# Altium PCB lidarcar.PcbDoc (part 1 of 2)
Units mil, origin at the board's own origin, x right, y up, seen from the top; angles counter-clockwise.
Board outline 3704.72 x 3732.29 mil, 2 copper layers (Top Layer, Bottom Layer); 84 components, 182 nets, 510 pads, 147 vias.
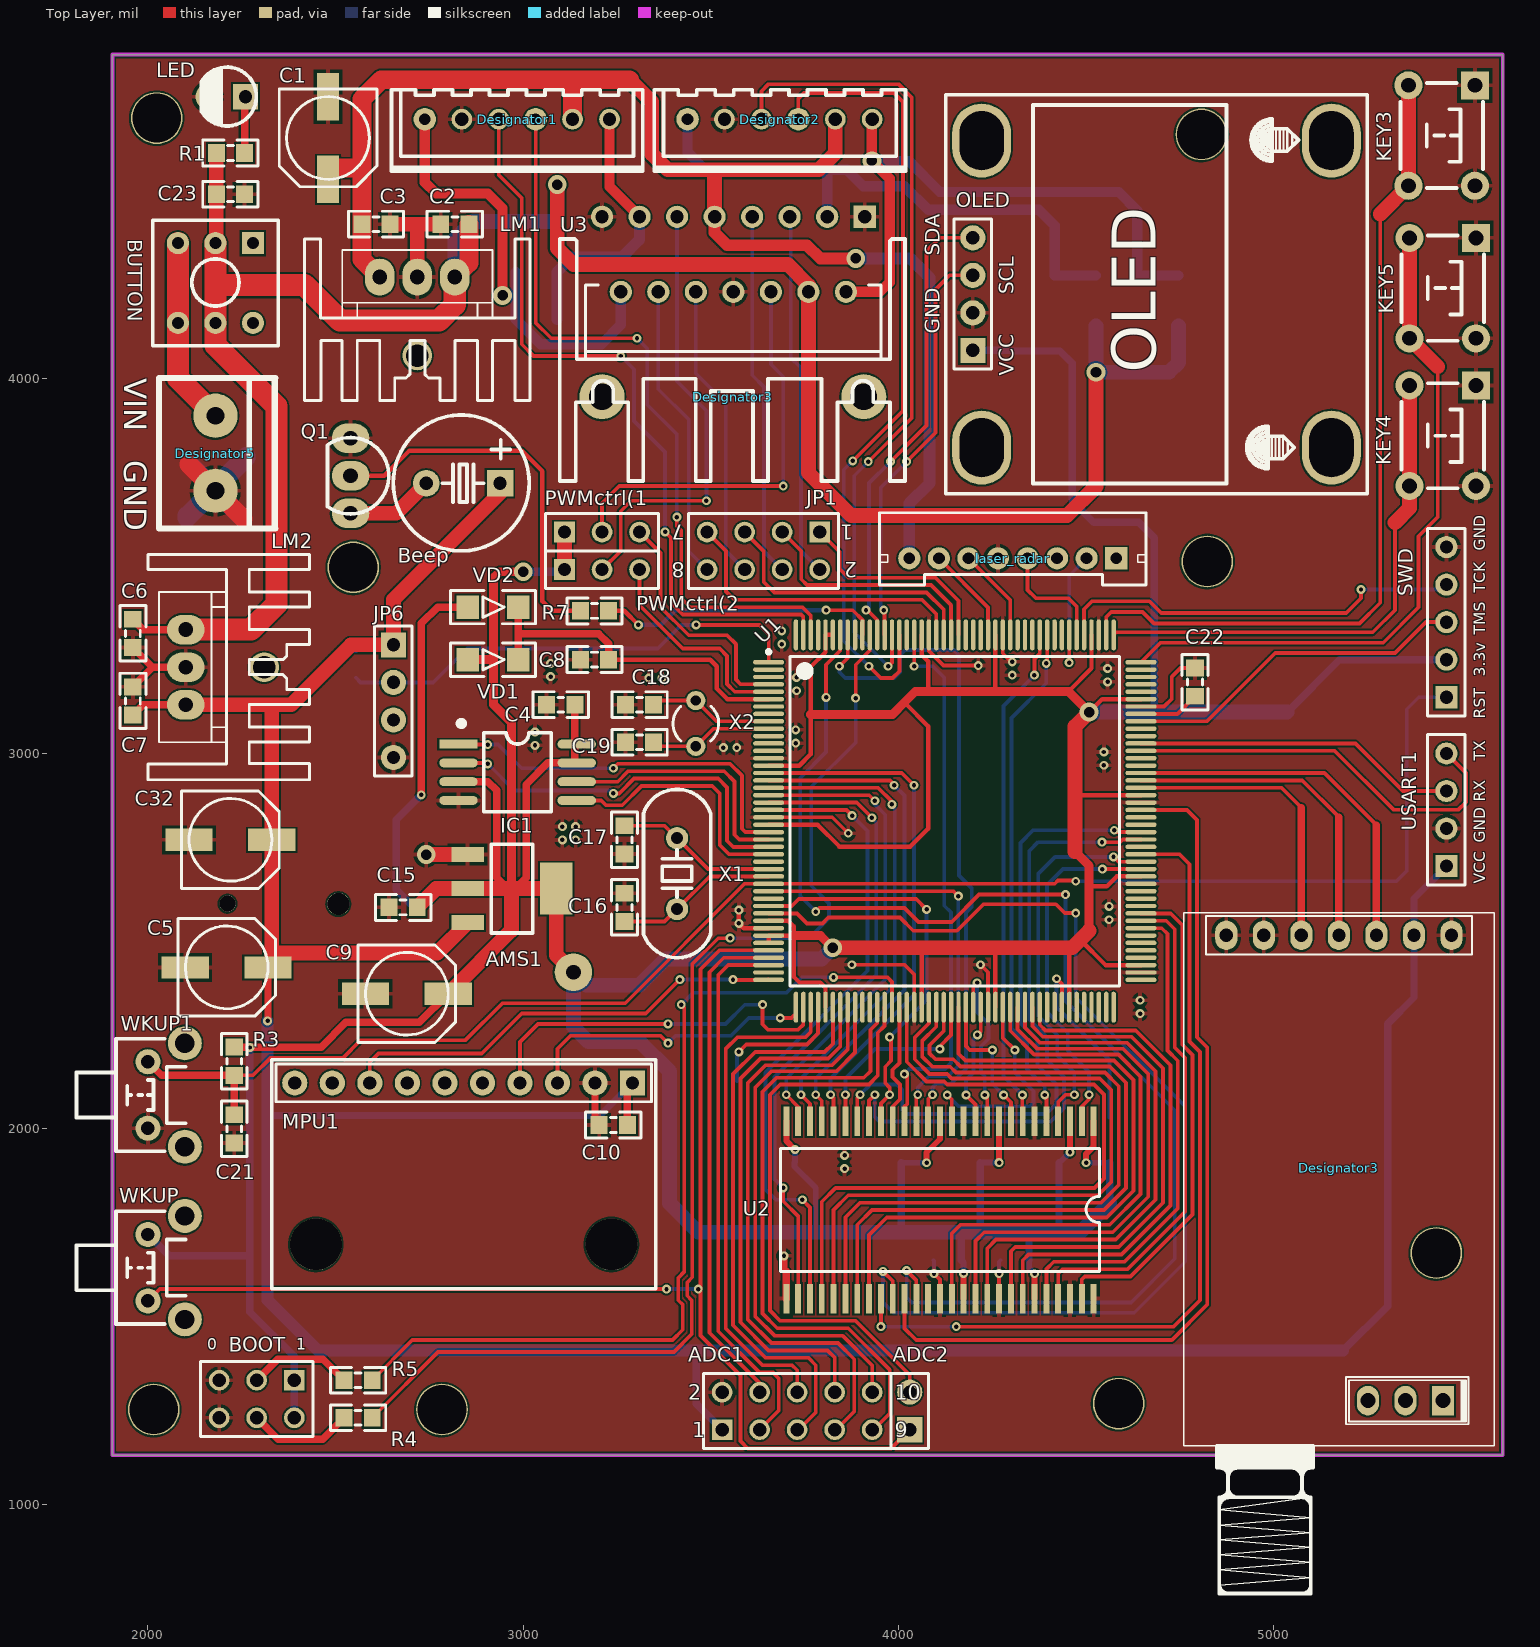
[diagram p0: Top Layer view]
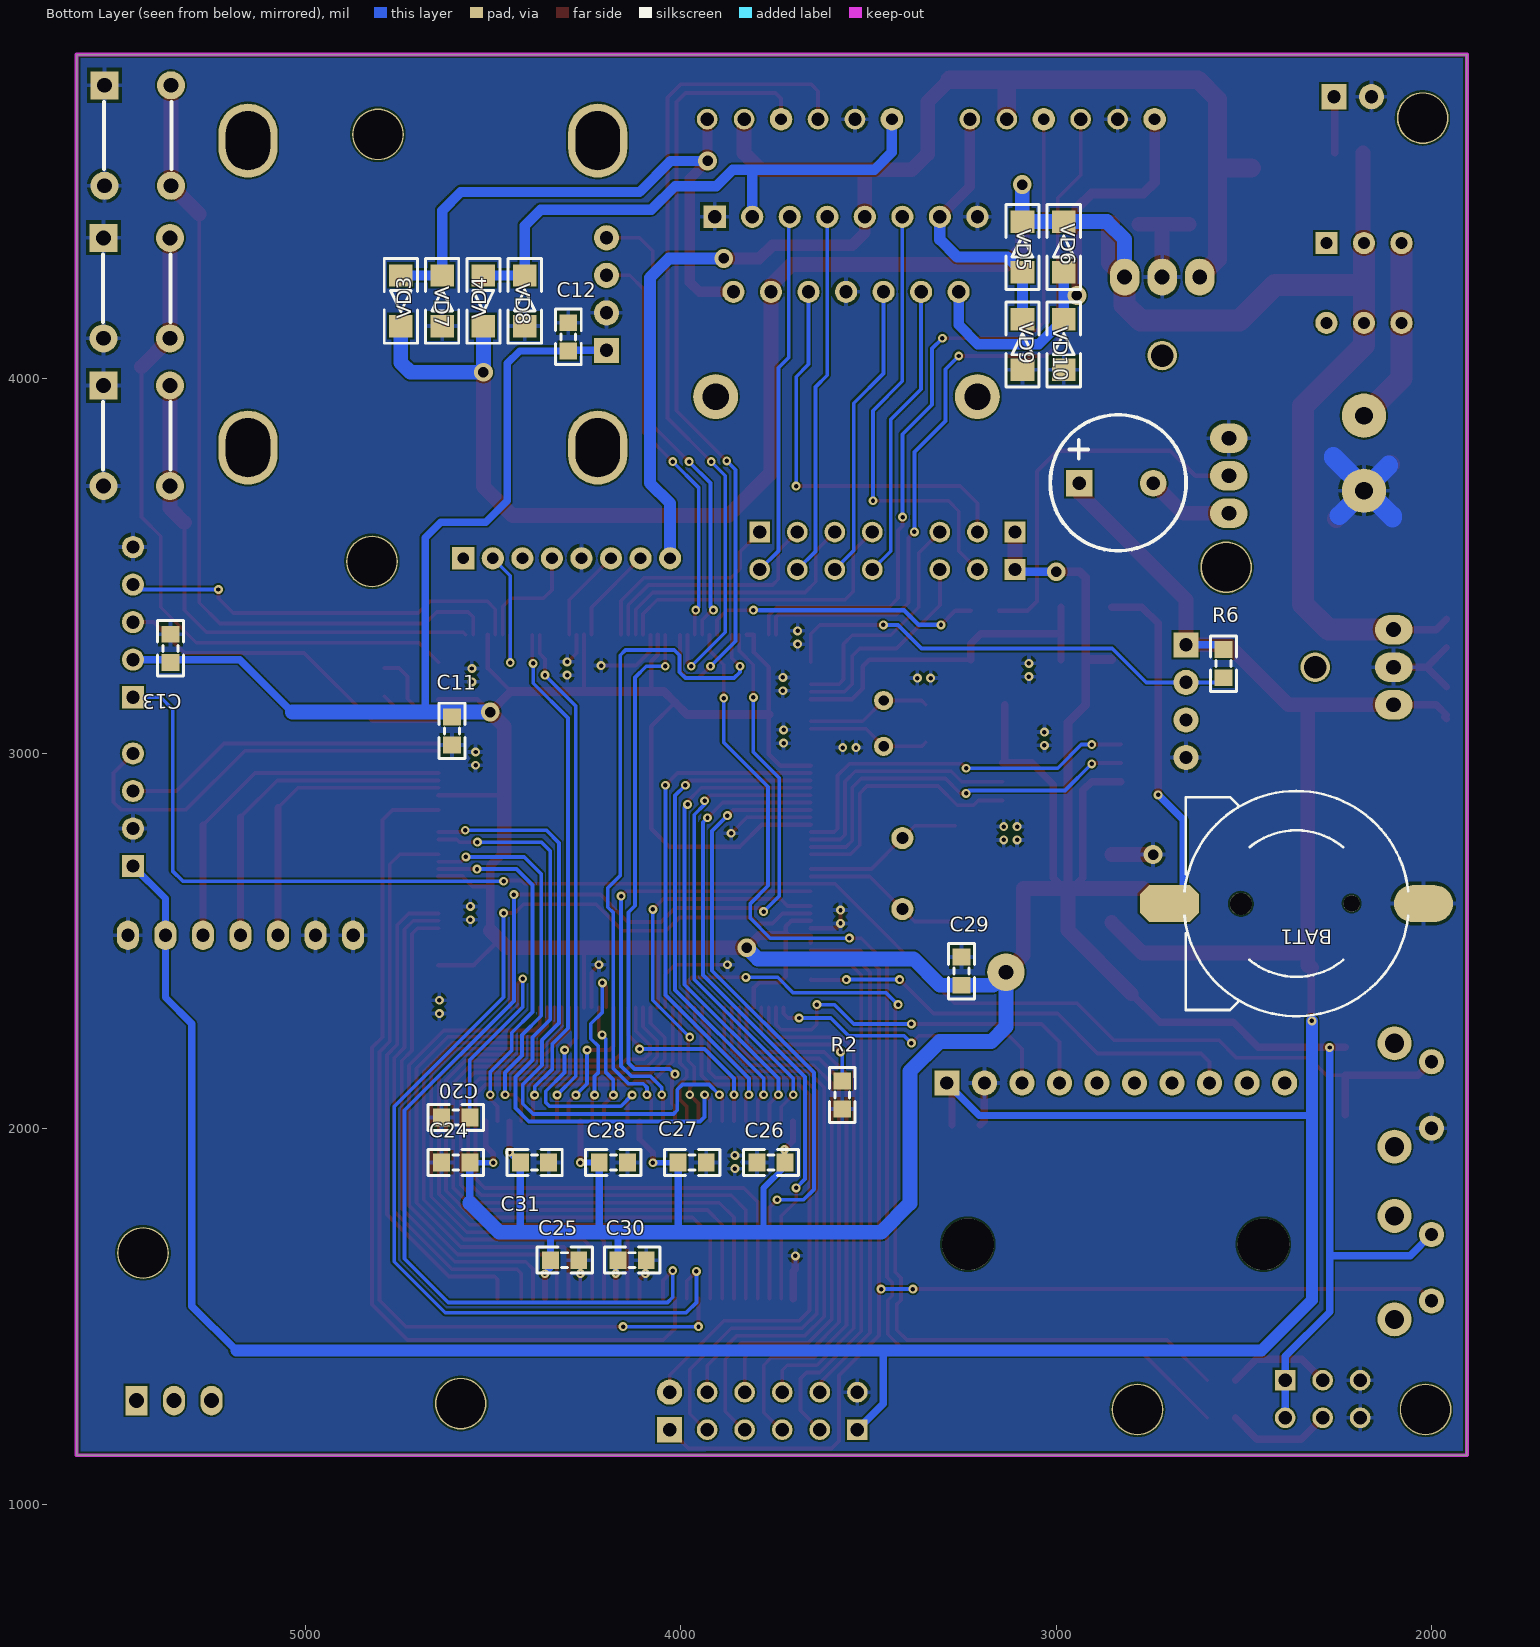
[diagram p1: Bottom Layer view, seen from below]

## Layer stack, top to bottom
Top Solder: solder mask 0.4, Solder Resist, Dk 3.5
Top Layer: signal copper 1.4
Dielectric1: dielectric 12.6, FR-4, Dk 4.8
Bottom Layer: signal copper 1.4
Bottom Solder: solder mask 0.4, Solder Resist, Dk 3.5

## Board outline
1905.51,1130.23 5610.24,1129.92 5610.24,4862.2 1905.51,4862.2

## Design rules (kind name [scope] priority, off if disabled: settings)
Clearance [All] p1: gap=5.91
MinimumSolderMaskSliver [All] p1: minsoldermaskwidth=5
PolygonConnect [All] p1: connectstyle=Relief reliefconductorwidth=10 reliefentries=4 polygonreliefangle="90 Angle" airgapwidth=10
RoutingVias [All] p1: holewidth=11.81 width=23.62 viastyle="Through Hole" minholewidth=11.81 minwidth=23.62 maxholewidth=28 maxwidth=50
SilkToSolderMaskClearance [IsPad] p1: minsilkscreentomaskgap=5 clearancetoexposedcopper=TRUE
SolderMaskExpansion [All] p1: expansion=4
Width [All] p1: maxlimit=78.74 minlimit=10 preferedwidth=10
28 further rules are at their usual default settings.

## Classes and differential pairs
component class Sheet1: AMS1 BAT1 BOOT BUTTON C1 C2 C3 C4 C5 C6 C7 C8 C9 C10 C11 C12 C13 C14 C15 C16 C17 C18 C19 C20 C21 C22 LED LM1 LM2 Power1 R1 R2 R3 R4 R5 RESET SWD U1 VD1 VD2 WKUP X1 X2
component class Sheet2: ADC1 ADC2 Beep C23 C24 C25 C26 C27 C28 C29 C30 C31 IC1 JP1 JP2 JP3 JP4 JP6 laser_radar MPU1 PWMctrl(1 PWMctrl(2 Q1 R6 R7 U3 USART1 USART6 VD3 VD4 VD5 VD6 VD7 VD8 VD9 VD10

## Components (designator, comment, footprint, x,y, rotation, side; value= is the part's Value field where it differs from the comment)
ADC1 "Header 5X2" HDR-5X2 3530,1198.19 r0 top
ADC2 "HDR-1X2" HDR-1X2 4030,1198.19 r90 top
AMS1 "AMS1117-3.3" SOT-223 2970,2640 r180 top
BAT1 "BATT" BATM 2360,2600 r270 bottom
Beep "DC5V" "BEEP 5x9x5.5" 2840,3720 r90 top (schematic designator Beep1)
BOOT "Header3X2" HDR-3X2 2390,1330 r180 top
BUTTON "BUTTON" BTN8.5*8.5 2280,4360 r270 top (schematic designator BUTTON1)
C1 "220uF" CC6.56.5 2480,4640 r90 top
C2 "104" 0805 2817.8,4410.32 r0 top
C3 "104" 0805 2607.8,4410.32 r180 top
C4 "104" 0805 3100,3130 r0 top
C5 "220uF" CC6.56.5 2210,2430 r180 top
C6 "104" 0805 1960,3320 r90 top
C7 "104" 0805 1960,3140 r270 top
C8 "104" 0805 3190,3250 r0 top
C9 "220uF" CC6.56.5 2690,2360 r180 top
C10 "104" 0805 3240,2010 r0 top
C11 "104" 0805 4610,3060 r90 bottom
C12 "104" 0805 4300,4110 r270 bottom
C13 "104" 0805 5360,3280 r270 bottom
C15 "104" 0805 2680,2590 r0 top
C16 "22pf" 0805 3270,2590 r270 top
C17 "22pf" 0805 3270,2770 r90 top
C18 "6pf" 0805 3310,3130 r180 top
C19 "6pf" 0805 3310,3030 r180 top
C20 "2.2uf" 0805 4600,2030 r0 bottom
C21 "104" 0805 2230,2000 r90 top
C22 "2.2uf" 0805 4790,3190 r90 top
C23 "104" 0805 2220,4490 r0 top
C24 "104" 0805 4600,1910 r180 bottom
C25 "104" 0805 4310,1650 r180 bottom
C26 "104" 0805 3760,1910 r0 bottom
C27 "104" 0805 3970,1910 r180 bottom
C28 "104" 0805 4180,1910 r180 bottom
C29 "104" 0805 3252.4,2420 r90 bottom
C30 "104" 0805 4130,1650 r180 bottom
C31 "104" 0805 4390,1910 r180 bottom
C32 "220uF" CC6.56.5 2220,2770 r180 top (schematic designator C5)
Designator1 "Comment" XH2.54-6P 3230,4690 r180 top
Designator2 "Comment" XH2.54-6P 3930,4690 r180 top
Designator3 "Comment" 射频模块 5140,1760 r270 top
Designator3 "Comment" 中型散热器 3660,4160 r180 top
Designator5 "Comment" "2p 5.08" 2180,3700 r90 top
IC1 "W25Qxx" SOP8W_M 2985.04,2949.92 r0 top
JP1 "Header 4X2" HDR-4X2 3790,3590 r180 top
JP6 "HDR-1X4" HDR-1X4_M 2654.25,3289.45 r270 top
KEY3 "6x6x5" "TSW DIP-6*6*6" 5447.24,4646.54 r270 top (schematic designator SW4)
KEY4 "6x6x5" "TSW DIP-6*6*6" 5450,3846.54 r270 top (schematic designator SW4)
KEY5 "6x6x5" "TSW DIP-6*6*6" 5450,4240 r270 top (schematic designator SW4)
laser_radar "HDR-1X8" "PH2.0 D-L-8P" 4580,3520 r180 top
LED "蓝色" "LED 3MM-B" 2210,4750 r180 top
LM1 "LM7805CT" 小散热#1 2717.8,4060.32 r180 top
LM2 "LM7805CT" 小散热#2 2310,3230 r270 top
MPU1 "HDR-1X10" HDR-1X10_M 3291.34,2122.05 r180 top
OLED "OLED" HDR-1X4 4198.03,4074.02 r90 top (schematic designator P4)
PWMctrl(1 "HDR-1X3" HDR-1X3 3110,3590 r0 top
PWMctrl(2 "HDR-1X3" HDR-1X3 3110,3490 r0 top
Q1 "2N3904" 小功率三极管 2540,3740 r270 top
R1 "512" 0805 2220,4600 r180 top
R2 "10K" 0805 3570,2090 r270 bottom
R3 "10K" 0805 2230,2180 r90 top
R4 "10K" 0805 2560,1330 r180 top
R5 "10K" 0805 2560,1230 r0 top
R6 "4.7k" 0805 2554.25,3239.45 r90 bottom
R7 "4.7k" 0805 3190,3380 r0 top
SWD "HDR-1X5" HDR1X5 5460,3150 r90 top
U1 "STM32F429IGT6" STM-LQFP176_M 4150,2820 r0 top
U2 "W9825G6KH-6" TSOP54 4520,2020 r270 top
U3 "L298N" Multiwatt15V 3560,4330 r180 top
USART1 "HDR-1X4" HDR1X4 5460,2700 r90 top
VD1 "1N4148" 极性1206 2920,3250 r0 top
VD2 "1N4148" 极性1206 2920,3390 r0 top
VD3 "1N4007" 极性1206 4746.22,4206.22 r270 bottom
VD4 "1N4007" 极性1206 4526.22,4206.22 r270 bottom
VD5 "1N4007" 极性1206 3090,4350 r90 bottom
VD6 "1N4007" 极性1206 2980,4350 r90 bottom
VD7 "1N4007" 极性1206 4636.22,4206.22 r90 bottom
VD8 "1N4007" 极性1206 4416.22,4206.22 r90 bottom
VD9 "1N4007" 极性1206 3090,4090 r90 bottom
VD10 "1N4007" 极性1206 2980,4090 r90 bottom
WKUP "6x6x5" "TSW DIP-6*6*6_V" 2000,1630 r270 top
WKUP1 "6x6x5" "TSW DIP-6*6*6_V" 2000,2090 r270 top (schematic designator WKUP)
X1 "25MHz" "XTAL-49S DIP" 3410,2680 r90 top
X2 "32.768K" R38 3460,3080 r0 top

## Footprints (in the part's own frame and the unit in brackets; to place one, negate y for a bottom-side part, rotate by r counter-clockwise, add the part's x,y. Pads: shape width x height; smd on the part's side, far side on the other; paste and mask are expansions set on the pad)
"2p 5.08" [mm]
  round 3 hole 1.2: 1(0,0) 2(5.08,0)
  silkscreen extent -2.6,-4.25 7.68,3.81
0805 [mm] "Chip Capacitor, 2-Leads, Body 2.0x1.2mm, IPC Medium Density"
  rect 1.14x1.2 smd: 1(-0.955,0) 2(0.955,0)
  silkscreen extent -1.88,-0.88 1.87,0.87, body extent -1,-0.6 1,0.6, height 0.5
BATM [mm]
  round 1.1 hole 1.1 unplated: 0(0,3.748)
  round 1.5 hole 1.5 unplated: 0(0.025,-3.752)
  oct 2.5x4 smd: 1(0,-8.602)
  oval 2.5x4 smd: 2(0,8.598)
  silkscreen extent -7.62,-7.58 7.62,7.57
"BEEP 5x9x5.5" [mm] "5*9*5.5mm(脚距,直径,高度)"
  rect 1.8x1.8 hole 0.9: 1(0,-2.5)
  round 1.8 hole 0.9: 2(0,2.5)
  silkscreen extent -4.57,-4.47 4.62,4.73, body extent -4.5,-4.5 4.5,4.5, height 5.45
BTN8.5*8.5 [mm]
  rect 1.5x1.5 hole 0.8: 1(0,0)
  round 1.5 hole 0.8: 2(0,-2.54) 3(0,-5.08) 4(5.4,-5.08) 5(5.4,-2.54) 6(5.4,0)
  silkscreen extent -1.55,-6.79 6.95,1.71
CC6.56.5 [mm]
  rect 3.2x1.5 smd: 1(-2.794,0) 2(2.8,0)
  silkscreen extent -3.3,-3.3 3.3,3.3
HDR1X4 [mm] "Connector; Header; 4 Position"
  rect 1.5x1.5 hole 0.9: 1(0,0)
  round 1.5 hole 0.9: 2(2.54,0) 3(5.08,0) 4(7.62,0)
  silkscreen extent -1.27,-1.27 8.89,1.27
HDR1X5 [mm] "Connector; Header; 5 Position"
  rect 1.5x1.5 hole 0.9: 1(0,0)
  round 1.5 hole 0.9: 2(2.54,0) 3(5.08,0) 4(7.62,0) 5(10.16,0)
  silkscreen extent -1.27,-1.27 11.43,1.27
HDR-1X2 [mm] "排针，2脚"
  rect 1.7x1.7 hole 0.9: 1(0,0)
  round 1.7 hole 0.9: 2(2.54,0)
  silkscreen extent -1.27,-1.27 3.81,1.27, body extent -1.27,-1.27 3.81,1.27, height 8.5
HDR-1X3 [mm] "排针，3脚"
  rect 1.4x1.4 hole 0.9: 1(0,0)
  round 1.4 hole 0.9: 2(2.54,0) 3(5.08,0)
  silkscreen extent -1.27,-1.27 6.35,1.27, body extent -1.27,-1.27 6.35,1.27, height 8.5
HDR-1X4 [mm] "排针，4脚"
  rect 1.7x1.7 hole 0.9: 1(0,0)
  round 1.7 hole 0.9: 2(2.54,0) 3(5.08,0) 4(7.62,0)
  silkscreen extent -1.27,-1.27 8.89,1.27, body extent -1.27,-1.27 8.89,1.27, height 8.5
HDR-1X4_M [mm] "排母，4脚"
  rect 1.7x1.7 hole 0.9: 1(0,0)
  round 1.7 hole 0.9: 2(2.54,0) 3(5.08,0) 4(7.62,0)
  silkscreen extent -1.27,-1.27 8.89,1.27, body extent -1.27,-1.27 8.89,1.27, height 8.5
HDR-1X10_M [mm] "排母，10脚"
  rect 1.7x1.7 hole 0.9: 1(0,0)
  round 1.7 hole 0.9: 2(2.54,0) 3(5.08,0) 4(7.62,0) 5(10.16,0) 6(12.7,0) 7(15.24,0) 8(17.78,0) 9(20.32,0) 10(22.86,0)
  silkscreen extent -1.27,-1.27 24.13,1.27, body extent -1.27,-1.27 24.13,1.27, height 8.5
HDR-3X2 [mm] "双排排针，3x2脚"
  rect 1.4x1.4 hole 0.9: 1(0,0)
  round 1.4 hole 0.9: 2(0,2.54) 3(2.54,0) 4(2.54,2.54) 5(5.08,0) 6(5.08,2.54)
  silkscreen extent -1.27,-1.27 6.35,3.81, body extent -1.27,-1.27 6.35,3.81, height 8.5
HDR-4X2 [mm] "双排排针，4x2脚"
  rect 1.4x1.4 hole 0.9: 1(0,0)
  round 1.4 hole 0.9: 2(0,2.54) 3(2.54,0) 4(2.54,2.54) 5(5.08,0) 6(5.08,2.54) 7(7.62,0) 8(7.62,2.54)
  silkscreen extent -1.27,-1.27 8.89,3.81, body extent -1.27,-1.27 8.89,3.81, height 8.5
HDR-5X2 [mm] "双排排针，5x2脚"
  rect 1.4x1.4 hole 0.9: 1(0,0)
  round 1.4 hole 0.9: 2(0,2.54) 3(2.54,0) 4(2.54,2.54) 5(5.08,0) 6(5.08,2.54) 7(7.62,0) 8(7.62,2.54) 9(10.16,0) 10(10.16,2.54)
  silkscreen extent -1.27,-1.27 11.43,3.81, body extent -1.27,-1.27 11.43,3.81, height 8.5
"LED 3MM-B" [mm] "蓝色3mm直插LED"
  rect 1.7x1.7 hole 0.9: 1(-1.27,0)
  round 1.7 hole 0.9: 2(1.27,0)
  silkscreen extent -2.01,-2 1.72,1.98, body extent -1.95,-1.95 1.64,1.95, height 5.55
Multiwatt15V [mm] "TO, Thru-Hole, Vertical, Heatsink Mounted; 15 Bent Staggered Leads; Pitch 1.27 mm"
  rect 1.5x1.5 hole 0.9: 1(-8.89,-2.54)
  round 1.5 hole 0.9: 2(-7.62,2.54) 3(-6.35,-2.54) 4(-5.08,2.54) 5(-3.81,-2.54) 6(-2.54,2.54) 7(-1.27,-2.54) 8(0,2.54) 9(1.27,-2.54) 10(2.54,2.54) 11(3.81,-2.54) 12(5.08,2.54) 13(6.35,-2.54) 14(7.62,2.54) 15(8.89,-2.54)
  silkscreen extent -10,2.09 10,7.09
"PH2.0 D-L-8P" [mm] "接插件/1A"
  rect 1.5x1.5 hole 0.8: 1(0,0)
  round 1.5 hole 0.8: 2(2,0) 3(4,0) 4(6,0) 5(8,0) 6(10,0) 7(12,0) 8(14,0)
  silkscreen extent -2.03,-3.08 16.03,1.82, body extent -1.95,-3 15.95,1.7, height 6.02
R38 [mm] "Crystal, Thru-Hole; 2 Leads; Body 3.1 x 8.2 mm (Dia.xH)"
  round 1.3 hole 0.7: 1(0,1.55) 2(0,-1.55)
  silkscreen extent -1.55,-1.19 1.55,1.17
SOP8W_M [mm] "5.3*8.3*1.8mm（长宽高）"
  rect 2.6x0.6 smd: 1(-4,1.905)
  oval 2.6x0.6 smd: 2(-4,0.635) 3(-4,-0.635) 4(-4,-1.905) 5(4,-1.905) 6(4,-0.635) 7(4,0.635) 8(4,1.905)
  silkscreen extent -3.94,-2.67 2.29,3.43, body extent -3.94,-2.64 3.94,2.64, height 1.9
SOT-223 [mm]
  rect 2.2x1 smd: 1(3,-2.3) 2(3,0) 3(3,2.3)
  rect 2.2x3.5 smd: 2(-3,0)
  silkscreen extent -1.4,-3 1.4,3, body extent -3.49,-3.24 3.49,3.24, height 1.64
STM-LQFP176_M [mm] "Thin QFP, 176-Leads, Body 24x24mm, Pitch 0.5mm, IPC Low Density"
  oval 2.1x0.3 smd: 1(-12.6,10.75) 2(-12.6,10.25) 3(-12.6,9.75) 4(-12.6,9.25) 5(-12.6,8.75) 6(-12.6,8.25) 7(-12.6,7.75) 8(-12.6,7.25) 9(-12.6,6.75) 10(-12.6,6.25) 11(-12.6,5.75) 12(-12.6,5.25) 13(-12.6,4.75) 14(-12.6,4.25) 15(-12.6,3.75) 16(-12.6,3.25) 17(-12.6,2.75) 18(-12.6,2.25) 19(-12.6,1.75) 20(-12.6,1.25) 21(-12.6,0.75) 22(-12.6,0.25) 23(-12.6,-0.25) 24(-12.6,-0.75) 25(-12.6,-1.25) 26(-12.6,-1.75) 27(-12.6,-2.25) 28(-12.6,-2.75) 29(-12.6,-3.25) 30(-12.6,-3.75) 31(-12.6,-4.25) 32(-12.6,-4.75) 33(-12.6,-5.25) 34(-12.6,-5.75) 35(-12.6,-6.25) 36(-12.6,-6.75) 37(-12.6,-7.25) 38(-12.6,-7.75) 39(-12.6,-8.25) 40(-12.6,-8.75) 41(-12.6,-9.25) 42(-12.6,-9.75) 43(-12.6,-10.25) 44(-12.6,-10.75) 89(12.6,-10.75) 90(12.6,-10.25) 91(12.6,-9.75) 92(12.6,-9.25) 93(12.6,-8.75) 94(12.6,-8.25) 95(12.6,-7.75) 96(12.6,-7.25) 97(12.6,-6.75) 98(12.6,-6.25) 99(12.6,-5.75) 100(12.6,-5.25) 101(12.6,-4.75) 102(12.6,-4.25) 103(12.6,-3.75) 104(12.6,-3.25) 105(12.6,-2.75) 106(12.6,-2.25) 107(12.6,-1.75) 108(12.6,-1.25) 109(12.6,-0.75) 110(12.6,-0.25) 111(12.6,0.25) 112(12.6,0.75) 113(12.6,1.25) 114(12.6,1.75) 115(12.6,2.25) 116(12.6,2.75) 117(12.6,3.25) 118(12.6,3.75) 119(12.6,4.25) 120(12.6,4.75) 121(12.6,5.25) 122(12.6,5.75) 123(12.6,6.25) 124(12.6,6.75) 125(12.6,7.25) 126(12.6,7.75) 127(12.6,8.25) 128(12.6,8.75) 129(12.6,9.25) 130(12.6,9.75) 131(12.6,10.25) 132(12.6,10.75)
  oval 0.3x2.1 smd: 45(-10.75,-12.6) 46(-10.25,-12.6) 47(-9.75,-12.6) 48(-9.25,-12.6) 49(-8.75,-12.6) 50(-8.25,-12.6) 51(-7.75,-12.6) 52(-7.25,-12.6) 53(-6.75,-12.6) 54(-6.25,-12.6) 55(-5.75,-12.6) 56(-5.25,-12.6) 57(-4.75,-12.6) 58(-4.25,-12.6) 59(-3.75,-12.6) 60(-3.25,-12.6) 61(-2.75,-12.6) 62(-2.25,-12.6) 63(-1.75,-12.6) 64(-1.25,-12.6) 65(-0.75,-12.6) 66(-0.25,-12.6) 67(0.25,-12.6) 68(0.75,-12.6) 69(1.25,-12.6) 70(1.75,-12.6) 71(2.25,-12.6) 72(2.75,-12.6) 73(3.25,-12.6) 74(3.75,-12.6) 75(4.25,-12.6) 76(4.75,-12.6) 77(5.25,-12.6) 78(5.75,-12.6) 79(6.25,-12.6) 80(6.75,-12.6) 81(7.25,-12.6) 82(7.75,-12.6) 83(8.25,-12.6) 84(8.75,-12.6) 85(9.25,-12.6) 86(9.75,-12.6) 87(10.25,-12.6) 88(10.75,-12.6) 133(10.75,12.6) 134(10.25,12.6) 135(9.75,12.6) 136(9.25,12.6) 137(8.75,12.6) 138(8.25,12.6) 139(7.75,12.6) 140(7.25,12.6) 141(6.75,12.6) 142(6.25,12.6) 143(5.75,12.6) 144(5.25,12.6) 145(4.75,12.6) 146(4.25,12.6) 147(3.75,12.6) 148(3.25,12.6) 149(2.75,12.6) 150(2.25,12.6) 151(1.75,12.6) 152(1.25,12.6) 153(0.75,12.6) 154(0.25,12.6) 155(-0.25,12.6) 156(-0.75,12.6) 157(-1.25,12.6) 158(-1.75,12.6) 159(-2.25,12.6) 160(-2.75,12.6) 161(-3.25,12.6) 162(-3.75,12.6) 163(-4.25,12.6) 164(-4.75,12.6) 165(-5.25,12.6) 166(-5.75,12.6) 167(-6.25,12.6) 168(-6.75,12.6) 169(-7.25,12.6) 170(-7.75,12.6) 171(-8.25,12.6) 172(-8.75,12.6) 173(-9.25,12.6) 174(-9.75,12.6) 175(-10.25,12.6) 176(-10.75,12.6)
  silkscreen extent -12.72,-11.15 11.15,11.57, body extent -12,-12 12,12, height 1.6
TSOP54 [mm]
  rect 2x0.4 smd: 1(0,0) 2(0,-0.8) 3(0,-1.6) 4(0,-2.4) 5(0,-3.2) 6(0,-4) 7(0,-4.8) 8(0,-5.6) 9(0,-6.4) 10(0,-7.2) 11(0,-8) 12(0,-8.8) 13(0,-9.6) 14(0,-10.4) 15(0,-11.2) 16(0,-12) 17(0,-12.8) 18(0,-13.6) 19(0,-14.4) 20(0,-15.2) 21(0,-16) 22(0,-16.8) 23(0,-17.6) 24(0,-18.4) 25(0,-19.2) 26(0,-20) 27(0,-20.8) 28(12,-20.8) 29(12,-20) 30(12,-19.2) 31(12,-18.4) 32(12,-17.6) 33(12,-16.8) 34(12,-16) 35(12,-15.2) 36(12,-14.4) 37(12,-13.6) 38(12,-12.8) 39(12,-12) 40(12,-11.2) 41(12,-10.4) 42(12,-9.6) 43(12,-8.8) 44(12,-8) 45(12,-7.2) 46(12,-6.4) 47(12,-5.6) 48(12,-4.8) 49(12,-4) 50(12,-3.2) 51(12,-2.4) 52(12,-1.6) 53(12,-0.8) 54(12,0)
  silkscreen extent 1.84,-21.2 10.16,0.4
"TSW DIP-6*6*6" [mm] "6*6*6mm"
  rect 1.9x1.9 hole 1: 1(-3.4,2.25)
  round 1.9 hole 1: 2(-3.4,-2.25) 3(3.4,-2.25) 4(3.4,2.25)
  silkscreen extent -3.56,-2.79 3.56,2.79, body extent -4.11,-3 4.11,3, height 5.95
"TSW DIP-6*6*6_V" [mm] "侧按轻触开关 6*6*6mm"
  round 2.3 hole 1.3: 0(-3.5,2.5) 0(3.5,2.5)
  round 1.7 hole 0.9: 1(-2.25,0) 2(2.25,0)
  silkscreen extent -3.81,-4.83 3.81,2.54, body extent -4.18,-4.72 4.18,4.13, height 7.47
XH2.54-6P [mm]
  round 1.4 hole 0.9: 1(0,0) 2(2.5,0) 4(7.5,0) 5(10,0)
  round 1.524 hole 0.8: 3(5,0) 6(12.5,0)
  silkscreen extent -2.25,-2 14.75,3.5
"XTAL-49S DIP" [mm]
  round 1.5 hole 0.8: 1(-2.4,0) 2(2.4,0)
  silkscreen extent -5.7,-2.28 5.7,2.28, body extent -5.68,-2.35 5.67,2.3, height 3.5
中型散热器 [mil]
  round 120 hole 70: 0(-247.5,209.25) 0(450,209.25)
  silkscreen extent -358,-211 562,434
射频模块 [mm]
  oval 2x1.5 hole 0.9: 1(-19.191,-6.77) 2(-19.191,-4.23) 3(-19.191,-1.69) 4(-19.191,0.85) 5(-19.191,3.39) 6(-19.191,5.93) 7(-19.191,8.47)
  rect 2x1.5 hole 1: 1(12.299,7.89)
  oval 2x1.5 hole 1: 2(12.299,5.35) 3(12.299,2.81)
  silkscreen extent -20.7,-9.65 25.35,11.35
小功率三极管 [mm]
  oval 2x2.54 hole 1: 1(-2.54,0) 2(0,0) 3(2.54,0)
  silkscreen extent -2.59,-1.55 2.59,2.59
小散热#1 [mm]
  round 2 hole 1.524: 0(0,0)
  oval 2x2.5 hole 1: 1(-2.54,-5.309) 2(0,-5.309) 3(2.54,-5.309)
  silkscreen extent -7.62,-7.87 7.62,3.05
小散热#2 [mm]
  round 2 hole 1.524: 0(0,0)
  oval 2x2.54 hole 1: 1(-2.54,-5.309) 2(0,-5.309) 3(2.54,-5.309)
  silkscreen extent -7.62,-7.87 7.62,3.05
极性1206 [mm] "Chip Capacitor, 2-Leads, Body 3.2x1.6mm, IPC Medium Density"
  rect 1.52x1.6 smd: 1(-1.71,0) 2(1.71,0)
  silkscreen extent -2.88,-1.12 2.88,1.12, body extent -1.6,-0.8 1.6,0.8, height 0.5

## Part data
ADC1: "5*2P接插件"
ADC2: library part "Header 2", "2P接插件"
AMS1: library part "SOT-223 AMS1117-3.3", "低压差线性稳压(LDO)"
BAT1: library part BAT
Beep: library part BEEP, "蜂鸣器"
BOOT: library part "Header 3X2", "3*2P接插件"
C1 C5 C9 C32: library part CAP
C2 C3 C4 C6 C7 C8 C10 C11 C12 C13 C15 C16 C17 C18 C19 C20 C21 C22 C23 C24 C25 C26 C27 C28 C29 C30 C31: library part C, "无极性贴片电容"
IC1: "外置Flash"
JP1: "4*2P接插件"
JP6 OLED USART1: library part "Header 4", "4P接插件"
KEY3 KEY4 KEY5: library part "TSW DIP-6x6", "直插6x6轻触开关"
laser_radar: library part "Header 8", "8P接插件"
LED: library part LED-3MM, "插件LED"
MPU1: library part "Header 10", "10P接插件"
PWMctrl(1 PWMctrl(2: library part "Header 3", "3P接插件"
Q1: "NPN General Purpose Amplifier"
R1 R2 R3 R4 R5 R6 R7: library part R, "贴片电阻"
SWD: library part "Header 5", "5P接插件"
U1: "ARM Cortex-M4 32-bit MCU+FPU, 225 DMIPS, 1024 kB Flash, 256 kB Internal RAM, 140 I/Os, 176-pin LQFP, -40 to 85 degC, Tray"
U2: library part IS42S16160B, "32MB SDRAM"
U3: "Dual Full Bridge Driver"
VD1 VD2: "高速开关二极管"
VD3 VD4 VD5 VD6 VD7 VD8 VD9 VD10: "整流二极管"
WKUP WKUP1: library part "TSW DIP-6x6_V", "侧按直插6x6轻触开关"
X1: library part XTAL-2, "2脚晶振"
X2: library part XTAL, "Crystal Oscillator"

## Free pads (board coordinates)
  round 137.8 hole 137.8: 0(2447.8,1692.13) 0(3235.2,1692.13)
  round 100 hole 39.37: 0(3133.86,2417.32)
  round 137.8 hole 129.92: 1(2015.75,1251.97) 1(2023.62,4692.91) 1(2547.25,3496.06) 1(2783.47,1251.97) 1(4586.61,1267.72) 1(4807.09,4649.61) 1(4822.83,3511.81) 1(5433.07,1669.29)
  oval 157.48x196.85 hole 118.11 slot 157.48 at 90 deg: 4(4221.65,3814.96) 4(4221.65,4633.07) 4(5153.54,3814.96) 4(5153.54,4633.07)

## Via types
v1: diameter 23.62, hole 11.81, Top Layer to Bottom Layer, 138 vias
v2: diameter 50, hole 28, Top Layer to Bottom Layer, 9 vias

## Nets (pads, with @x,y where several pads share a name; then routed paths per layer and width w, separated by ;. In a path a pad name is that pad's centre, name@x,y a point inside that pad or via, vN(x,y) a via of type N, cw(c..) or ccw(c..) an arc to the next point about the centre after c; other vN are vias at no path point)
AD0: MPU1.7
ADC1_IN0: ADC2.1 U1.40 WKUP.2 | length 3465.8
  Top Layer w10: WKUP.2@2000,1541.42 2031.42,1572.83 v1(3381.89,1572.83) ; v1(3466.53,1572.83) 3472.44,1566.92 3472.44,1448.82 3578.74,1342.52 3578.74,1167.87 3598.42,1148.19 3980,1148.19 ADC2.1@4030,1198.19 ; v1@3472.44,1572.83 3472.44,2425.2 3522.76,2475.51 U1.40@3653.94,2475.51
  Bottom Layer w10: v1(3381.89,1572.83) v1(3466.53,1572.83)
ADC1_IN1: ADC1.4 U1.41 | length 1348.4
  Top Layer w10: ADC1.4@3630,1298.19 3630,1322.76 3496.06,1456.69 3496.06,2417.32 3534.57,2455.83 U1.41@3653.94,2455.83
ADC1_IN2: ADC1.3 U1.42 | length 1465.4
  Top Layer w10: ADC1.3@3630,1198.19 3681.1,1249.29 3681.1,1334.65 3665.35,1350.39 3629.92,1350.39 3519.69,1460.63 3519.69,2409.45 3546.38,2436.14 U1.42@3653.94,2436.14
ADC1_IN3: ADC1.6 U1.47 | length 1326.9
  Top Layer w10: ADC1.6@3730,1322.13 3730,1356.61 3716.54,1370.08 3637.8,1370.08 3539.37,1468.5 3539.37,2212.6 3570.87,2244.09 3751.97,2244.09 3766.14,2258.27 U1.47@3766.14,2323.94
ADC1_IN4: ADC1.5 U1.50 | length 1526.7
  Top Layer w10: ADC1.5@3730,1194.57 3779.53,1244.09 3779.53,1370.08 3759.84,1389.76 3645.67,1389.76 3559.06,1476.38 3559.06,2145.67 3618.11,2204.72 3803.15,2204.72 3825.2,2226.77 U1.50@3825.2,2323.94
ADC1_IN5: ADC1.8 U1.51 | length 1414.5
  Top Layer w10: ADC1.8@3830,1322.13 3830,1390.47 3811.02,1409.45 3653.54,1409.45 3578.74,1484.25 3578.74,2133.86 3631.89,2187.01 3812.99,2187.01 3844.88,2218.9 U1.51@3844.88,2323.94
ADC1_IN6: ADC1.7 U1.52 | length 1586.1
  Top Layer w10: ADC1.7@3830,1194.57 3881.89,1246.46 3881.89,1385.83 3838.58,1429.13 3661.42,1429.13 3598.43,1492.13 3598.43,2122.05 3645.83,2169.45 3822.99,2169.45 3864.57,2211.02 U1.52@3864.57,2323.94
ADC1_IN7: ADC1.10 U1.53 | length 1448.8
  Top Layer w10: U1.53@3884.25,2323.94 3884.25,2203.15 3834.65,2153.54 3661.42,2153.54 3618.11,2110.24 3618.11,1500 3669.29,1448.82 3850.39,1448.82 3930,1369.21 ADC1.10@3930,1322.13
ADC1_IN8: ADC1.9 U1.56 | length 1662.1
  Top Layer w10: ADC1.9@3930,1194.57 3976.38,1240.94 3976.38,1358.27 3866.14,1468.5 3677.17,1468.5 3637.8,1507.87 3637.8,2098.43 3675.2,2135.83 3907.48,2135.83 3925.2,2153.54 3925.2,2263.78 3943.31,2281.89 U1.56@3943.31,2323.94
ADC1_IN9: ADC2.2 U1.57 | length 1538.7
  Top Layer w10: U1.57@3962.99,2323.94 3962.99,2274.02 3944.88,2255.91 3944.88,2141.73 3921.26,2118.11 3685.04,2118.11 3657.48,2090.55 3657.48,1515.75 3685.04,1488.19 3885.83,1488.19 4030,1344.02 ADC2.2@4030,1322.13
Aphase(1): Designator2.3 U1.162 | length 2145.3
  Top Layer w10: Designator2.3@3733.15,4690 3733.15,4744.96 3748.03,4759.84 3988.19,4759.84 4011.81,4736.22 4011.81,3913.39 v1(3877.95,3779.53) ; v1(3921.26,3232.28) 3952.76,3200.79 3984.25,3200.79 4002.36,3218.9 U1.162@4002.36,3316.06
  Bottom Layer w10: v1(3877.95,3779.53) 3854.33,3755.91 3854.33,3299.21 v1(3921.26,3232.28)
Aphase(2): Designator1.3 U1.174 | length 1986.6
  Top Layer w10: Designator1.3@3033.15,4690 3033.15,4147.95 3074.8,4106.3 v1(3303.15,4106.3) ; v1(3409.45,3629.92) 3409.45,3606.3 3421.26,3594.49 3421.26,3413.39 3444.88,3389.76 3744.09,3389.76 3766.14,3367.72 U1.174@3766.14,3316.06
  Bottom Layer w10: v1(3303.15,4106.3) 3330.71,4078.74 3330.71,3929.13 3409.45,3850.39 v1(3409.45,3629.92)
AUX3: U1.141
AUX6: Designator3.5 U1.117 | length 978.5
  Top Layer w10: U1.117@4646.06,2947.95 5134.72,2947.95 5273.46,2809.21
  Top Layer w19.68: Designator3.5@5273.46,2515.55 5273.46,2809.21
BEEP: R7.2 U1.167 | length 743
  Top Layer w10: v1(3807.09,3381.89) 3877.95,3381.89 3903.94,3355.9 U1.167@3903.94,3316.06
  Top Layer w11.81: R7.2@3227.6,3380 3269.61,3380 v1(3307.09,3342.52)
  Bottom Layer w11.81: v1(3307.09,3342.52) 3366.14,3342.52 3405.51,3381.89 3791.34,3381.89
BOOT0: R5.2 U1.166 | length 3194.2
  Top Layer w10: R5.2@2597.6,1230 2773.11,1405.51 3401.57,1405.51 3448.82,1452.76 3448.82,1543.31 3437.01,1555.12 3437.01,1590.71 3450.63,1604.33 3450.63,2438.82 3519.69,2507.87 v1(3551.18,2507.87) ; v1(3885.83,3147.64) 3885.83,3236.22 3923.62,3274.02 U1.166@3923.62,3316.06
  Bottom Layer w10: v1(3551.18,2507.87) 3761.81,2507.87 3814.96,2561.02 3814.96,2600.39 3767.72,2647.64 3767.72,2911.42 3885.83,3029.53 v1(3885.83,3147.64)
BOOT1: R4.1 U1.58 | length 2427.9
  Top Layer w10: R4.1@2597.6,1330 2704.61,1437.01 3397.64,1437.01 3425.2,1464.57 3425.2,1531.5 3413.39,1543.31 3413.39,1602.68 3428.82,1618.11 3428.82,2323.15 v1(3421.26,2330.71) ; v1(3826.77,2403.54) 3970.47,2403.54 3982.68,2391.34 U1.58@3982.68,2323.94
  Bottom Layer w10: v1(3421.26,2330.71) 3452.76,2362.2 3700.79,2362.2 3742.13,2403.54 v1(3826.77,2403.54)
Bphase(1): Designator2.4 U1.163 | length 2202.7
  Top Layer w10: Designator2.4@3634.72,4690 3634.72,4764.64 3653.54,4783.46 4000,4783.46 4035.43,4748.03 4035.43,3893.7 v1(3919.29,3777.56) ; v1(3972.44,3232.28) 3982.68,3242.52 U1.163@3982.68,3316.06
  Bottom Layer w10: v1(3919.29,3777.56) 3881.89,3740.16 3881.89,3322.83 v1(3972.44,3232.28)
Bphase(2): Designator1.4 U1.175 | length 2070.6
  Top Layer w10: Designator1.4@2934.72,4690 2934.72,4541.65 2996.06,4480.32 2996.06,4090.55 3027.56,4059.06 v1(3259.84,4059.06) ; v1(3377.95,3590.55) 3393.7,3574.8 3393.7,3401.57 3425.2,3370.08 3740.16,3370.08 3746.46,3363.78 U1.175@3746.46,3316.06 U1.175@3746.46,3355.9
  Bottom Layer w10: v1(3259.84,4059.06) 3295.28,4023.62 3295.28,3885.83 3377.95,3803.15 v1(3377.95,3590.55)
DHT_DATA: JP6.2 R6.1 U1.1 | length 1263.9
  Top Layer w10: v1(3460.63,3342.52) 3629.92,3342.52 3653.94,3318.5 U1.1@3653.94,3243.23
  Bottom Layer w10: R6.1@2554.25,3201.85 2566.65,3189.45 JP6.2@2654.25,3189.45 JP6.2@2657.01,3189.45 ; JP6.2@2649.61,3196.85 JP6.2@2657.01,3189.45 ; v1(3460.63,3342.52) 3421.26,3342.52 3358.74,3280 2850.87,3280 2760.31,3189.45 JP6.2@2657.01,3189.45
ECL: MPU1.6
EDA: MPU1.5
FMC_A0: U1.16 U2.23 | length 1477.1
  Top Layer w10: 3739.29,2947.95 U1.16@3653.94,2947.95 4008.74,2947.95 v1(4041.34,2915.35) ; v1(3818.9,2090.55) 3827.09,2082.36 U2.23@3827.09,2020
  Bottom Layer w10: v1(3818.9,2090.55) 3818.9,2133.86 4041.34,2356.3 v1(4041.34,2915.35)
FMC_A1: U1.17 U2.24 | length 1351.4
  Top Layer w10: U1.17@3653.94,2928.27 3977.24,2928.27 v1@3989.17,2916.34 ; v1(3779.53,2090.55) 3795.59,2074.49 U2.24@3795.59,2020
  Bottom Layer w10: v1(3779.53,2090.55) 3779.53,2133.86 4015.75,2370.08 4015.75,2887.8 v1(3988.19,2915.35)
FMC_A2: U1.18 U2.25 | length 1312.3
  Top Layer w10: U1.18@3653.94,2908.58 3945.75,2908.58 3982.28,2872.05 v1(3982.28,2864.17) ; v1(3740.16,2090.55) 3764.09,2066.62 U2.25@3764.09,2020
  Bottom Layer w10: v1(3740.16,2090.55) 3740.16,2133.86 3990.16,2383.86 3990.16,2856.3 v1(3982.28,2864.17)
FMC_A3: U1.19 U2.26 | length 1277.1
  Top Layer w10: U1.19@3653.94,2888.9 3922.13,2888.9 v1(3937.01,2874.02) ; v1(3700.79,2090.55) 3732.6,2058.74 U2.26@3732.6,2020
  Bottom Layer w10: v1(3700.79,2090.55) 3700.79,2133.86 3964.57,2397.64 3964.57,2836.61 3937.01,2864.17 v1(3937.01,2874.02)
FMC_A4: U1.20 U2.29 | length 1716.8
  Top Layer w10: U1.20@3653.94,2869.21 3888.66,2869.21 v1(3929.13,2828.74) ; v1(3692.91,1842.52) 3692.91,1807.09 3732.6,1767.4 U2.29@3732.6,1547.56
  Bottom Layer w10: v1(3692.91,1842.52) 3669.29,1866.14 3669.29,2137.8 3940.94,2409.45 3940.94,2816.93 v1(3929.13,2828.74)
FMC_A5: U1.21 U2.30 | length 1735.4
  Top Layer w10: U1.21@3653.94,2849.53 3861.34,2849.53 v1(3876.22,2834.65) ; v1(3743.72,1811.02) 3764.09,1790.65 U2.30@3764.09,1547.56
  Bottom Layer w10: v1(3743.72,1811.02) 3673.23,1811.02 3645.67,1838.58 3645.67,2149.61 3917.32,2421.26 3917.32,2793.54 v1(3876.22,2834.65)
FMC_A6: U1.60 U2.31 | length 1966
  Top Layer w10: U2.31@3795.59,1547.56 3795.59,1805.59 3832.52,1842.52 4522.52,1842.52 4547.24,1867.24 4547.24,2091.54 4520.68,2118.11 4129.92,2118.11 4122.05,2125.98 4074.8,2125.98 4022.05,2178.74 U1.60@4022.05,2323.94
FMC_A7: U1.63 U2.32 | length 1963.8
  Top Layer w10: U2.32@3827.09,1547.56 3827.09,1783.78 3866.14,1822.83 4531.5,1822.83 4566.93,1858.27 4566.93,2103.07 4535.98,2134.02 4141.57,2134.02 4129.92,2145.67 4082.68,2145.67 4043.31,2185.04 4043.31,2243.31 4081.1,2281.1 U1.63@4081.1,2323.94
FMC_A8: U1.64 U2.33 | length 1946.5
  Top Layer w10: U2.33@3858.58,1547.56 3858.58,1764.09 3897.64,1803.15 4539.37,1803.15 4586.61,1850.39 4586.61,2113.39 4550.08,2149.92 4153.23,2149.92 4137.8,2165.35 4090.55,2165.35 4062.99,2192.91 4062.99,2234.21 4100.79,2272 U1.64@4100.79,2323.94
FMC_A9: U1.65 U2.34 | length 1928.5
  Top Layer w10: U2.34@3890.08,1547.56 3890.08,1744.41 3929.13,1783.46 4547.24,1783.46 4606.3,1842.52 4606.3,2122.49 4562.96,2165.83 4164.88,2165.83 4145.67,2185.04 4098.43,2185.04 4082.68,2200.79 4082.68,2222.68 4120.47,2260.47 U1.65@4120.47,2323.94
FMC_A10: U1.66 U2.22 | length 522.1
  Top Layer w10: U2.22@3858.58,2020 3858.58,2088.58 v1@3860,2090 ; v1(4110.24,2212.6) 4110.24,2220.08 4140.16,2250 U1.66@4140.16,2323.94
  Bottom Layer w10: v1(3858.58,2090.55) 3858.58,2134.17 3937.01,2212.6 v1(4110.24,2212.6)
FMC_A11: U1.67 U2.35 | length 1836.8
  Top Layer w10: U2.35@3921.57,1547.56 3921.57,1716.85 3968.5,1763.78 4555.12,1763.78 4625.98,1834.65 4625.98,2129.92 4574.17,2181.73 4178.27,2181.73 4160,2200 4160,2323.78 U1.67@4159.84,2323.94
FMC_A12: U1.106 U2.36 | length 2267.5
  Top Layer w10: v1(3953.07,1472.75) U2.36@3953.07,1547.56 ; v1(4153.86,1472.75) 4732.6,1472.75 4803.15,1543.31 4803.15,2204.72 4775.59,2232.28 4775.59,2704.72 4748.9,2731.42 U1.106@4646.06,2731.42
  Bottom Layer w10: v1(3953.07,1472.75) v1(4153.86,1472.75)
FMC_BA0: U1.108 U2.20 | length 1693.2
  Top Layer w10: U2.20@3921.57,2020 3921.57,2075.12 v1(3937.01,2090.55) ; v1@4536.3,2763.78 4590.55,2763.78 4597.56,2770.79 U1.108@4646.06,2770.79
  Bottom Layer w10: v1(3937.01,2090.55) 3937.01,2031.5 3948.82,2019.68 4405.51,2019.68 4440.94,2055.12 4440.94,2137.8 4395.67,2183.07 4395.67,2244.09 4348.43,2291.34 4348.43,2740.16 4372.05,2763.78 v1@4536.3,2763.78
  other v1: 4542.2,2763.78
FMC_BA1: U1.109 U2.21 | length 1757
  Top Layer w10: U2.21@3890.08,2020 3890.08,2082.99 v1(3897.64,2090.55) ; v1(4574.8,2795.28) 4579.61,2790.47 U1.109@4646.06,2790.47
  Bottom Layer w10: v1(3897.64,2090.55) 3925.2,2118.11 3996.06,2118.11 4009.84,2104.33 4009.84,2049.21 4019.69,2039.37 4393.7,2039.37 4421.26,2066.93 4421.26,2118.11 4370.08,2169.29 4370.08,2236.22 4324.8,2281.5 4324.8,2761.81 4358.27,2795.28 v1(4574.8,2795.28)
FMC_D0: U1.104 U2.2 | length 968.7
  Top Layer w10: U2.2@4488.5,2020 4488.5,2059.37 4507.87,2078.74 ; v1(4543.31,2692.05) 4602.36,2692.05 ; 4573.94,2692.05 4602.36,2692.05 ; U1.104@4646.06,2692.05 4602.36,2692.05
  Bottom Layer w10: v1(4507.87,2090.55) 4507.87,2151.57 4450.79,2208.66 4450.79,2255.91 4395.67,2311.02 4395.67,2649.61 4438.11,2692.05 v1(4543.31,2692.05)
FMC_D1: U1.105 U2.4 | length 1028.8
  Top Layer w10: U2.4@4425.51,2020 4425.51,2071.18 4444.88,2090.55 v1(4468.5,2090.55) ; v1(4572.83,2724.41) 4585.51,2711.73 U1.105@4646.06,2711.73
  Bottom Layer w10: v1(4468.5,2090.55) 4468.5,2149.61 4423.23,2194.88 4423.23,2250 4372.05,2301.18 4372.05,2679.13 4417.32,2724.41 v1(4572.83,2724.41)
FMC_D2: U1.142 U2.5 | length 1378.4
  Top Layer w10: v1(4389.76,2090) 4394.02,2085.75 U2.5@4394.02,2020 ; v1@4396.06,3240.16 U1.142@4396.06,3316.06
  Bottom Layer w10: v1(4389.76,2090) 4389.76,2112.2 4342.52,2159.45 4342.52,2226.38 4301.18,2267.72 4301.18,3094.49 4393.7,3187.01 v1(4393.7,3240.16) v1@4389.76,3236.22
FMC_D3: U1.143 U2.7 | length 1357.1
  Top Layer w10: v1(4330,2090) 4330,2021.02 U2.7@4331.02,2020 ; v1(4362.2,3208.66) 4362.2,3251.97 4376.38,3266.14 U1.143@4376.38,3316.06
  Bottom Layer w10: v1(4330,2090) 4280,2140 4280,3126.46 v1(4362.2,3208.66)
FMC_D4: U1.68 U2.8 | length 414.1
  Top Layer w10: U1.68@4179.53,2288.67 U1.68@4179.53,2323.94 4179.53,2220.47 4190,2210 v1(4250,2210) ; v1(4280,2090) 4299.53,2070.47 U2.8@4299.53,2020
  Bottom Layer w10: v1@4250,2200 4250,2120 v1(4280,2090)
FMC_D5: U1.69 U2.10 | length 456
  Top Layer w10: U1.69@4199.21,2323.94 4199.21,2378.48 v1(4209.31,2388.57) ; U2.10@4236.54,2020 v1@4236.54,2083.46
  Bottom Layer w10: v1(4209.31,2388.57) 4209.31,2310.69 4240,2280 4240,2240 4220,2220 4220,2150 4230,2140 v1(4230,2090)
FMC_D6: U1.70 U2.11 | length 316.3
  Top Layer w10: v1(4180,2090) 4205.04,2064.96 U2.11@4205.04,2020 ; v1(4210,2250) 4218.9,2258.9 U1.70@4218.9,2323.94
  Bottom Layer w10: v1(4180,2090) 4180,2130 4200,2150 4200,2240
FMC_D7: U1.73 U2.13 | length 599.5
  Top Layer w10: v1(4130,2090) 4142.05,2077.95 U2.13@4142.05,2020 ; U1.73@4277.95,2323.94 4277.95,2242.05 v1(4310,2210)
  Bottom Layer w10: v1(4130,2090) 4160,2060 4350,2060 4360,2070 4360,2100 4310,2150 v1@4310,2200
FMC_D8: U1.74 U2.42 | length 1492.9
  Top Layer w10: U2.42@4142.05,1547.56 4142.05,1720.79 4165.35,1744.09 4562.99,1744.09 4644.92,1826.02 4644.92,2138.54 4585.83,2197.64 4361.42,2197.64 4297.64,2261.42 U1.74@4297.64,2323.94
FMC_D9: U1.75 U2.44 | length 1445.6
  Top Layer w10: U2.44@4205.04,1547.56 4205.04,1701.1 4228.35,1724.41 4570.87,1724.41 4665.35,1818.9 4665.35,2145.67 4597.48,2213.54 4369.13,2213.54 4317.32,2265.35 U1.75@4317.32,2323.94
FMC_D10: U1.76 U2.45 | length 1429.2
  Top Layer w10: U2.45@4236.54,1547.56 4236.54,1681.42 4259.84,1704.72 4578.74,1704.72 4685.04,1811.02 4685.04,2153.54 4609.13,2229.45 4376.85,2229.45 4337.01,2269.29 U1.76@4337.01,2323.94
FMC_D11: U1.77 U2.47 | length 1388.2
  Top Layer w10: U2.47@4299.53,1547.56 4299.53,1673.54 4311.02,1685.04 4586.61,1685.04 4704.72,1803.15 4704.72,2161.42 4620.79,2245.35 4384.57,2245.35 4356.69,2273.23 U1.77@4356.69,2323.94
FMC_D12: U1.78 U2.48 | length 1369.5
  Top Layer w10: U2.48@4331.02,1547.56 4331.02,1649.92 4346.46,1665.35 4594.49,1665.35 4724.41,1795.28 4724.41,2169.29 4631.89,2261.81 4391.73,2261.81 4376.38,2277.17 U1.78@4376.38,2323.94
FMC_D13: U1.96 U2.50 | length 1315.9
  Top Layer w10: U2.50@4394.02,1547.56 4394.02,1626.3 4413.39,1645.67 4602.36,1645.67 4744.09,1787.4 4744.09,2181.1 4716.54,2208.66 4716.54,2519.68 4701.65,2534.57 U1.96@4646.06,2534.57
FMC_D14: U1.97 U2.51 | length 1336.6
  Top Layer w10: U2.51@4425.51,1547.56 4425.51,1614.49 4437.01,1625.98 4610.24,1625.98 4763.78,1779.53 4763.78,2188.98 4736.22,2216.54 4736.22,2531.5 4713.35,2554.37 4691.73,2554.37 4691.62,2554.25 U1.97@4646.06,2554.25
FMC_D15: U1.98 U2.53 | length 1323.4
  Top Layer w10: U2.53@4488.5,1547.56 4488.5,1598.74 4496.06,1606.3 4618.11,1606.3 4783.46,1771.65 4783.46,2196.85 4755.91,2224.41 4755.91,2543.31 4725.28,2573.94 U1.98@4646.06,2573.94